# Altium PCB Evaluation Board.PcbDoc (part 8 of 22) (continued)
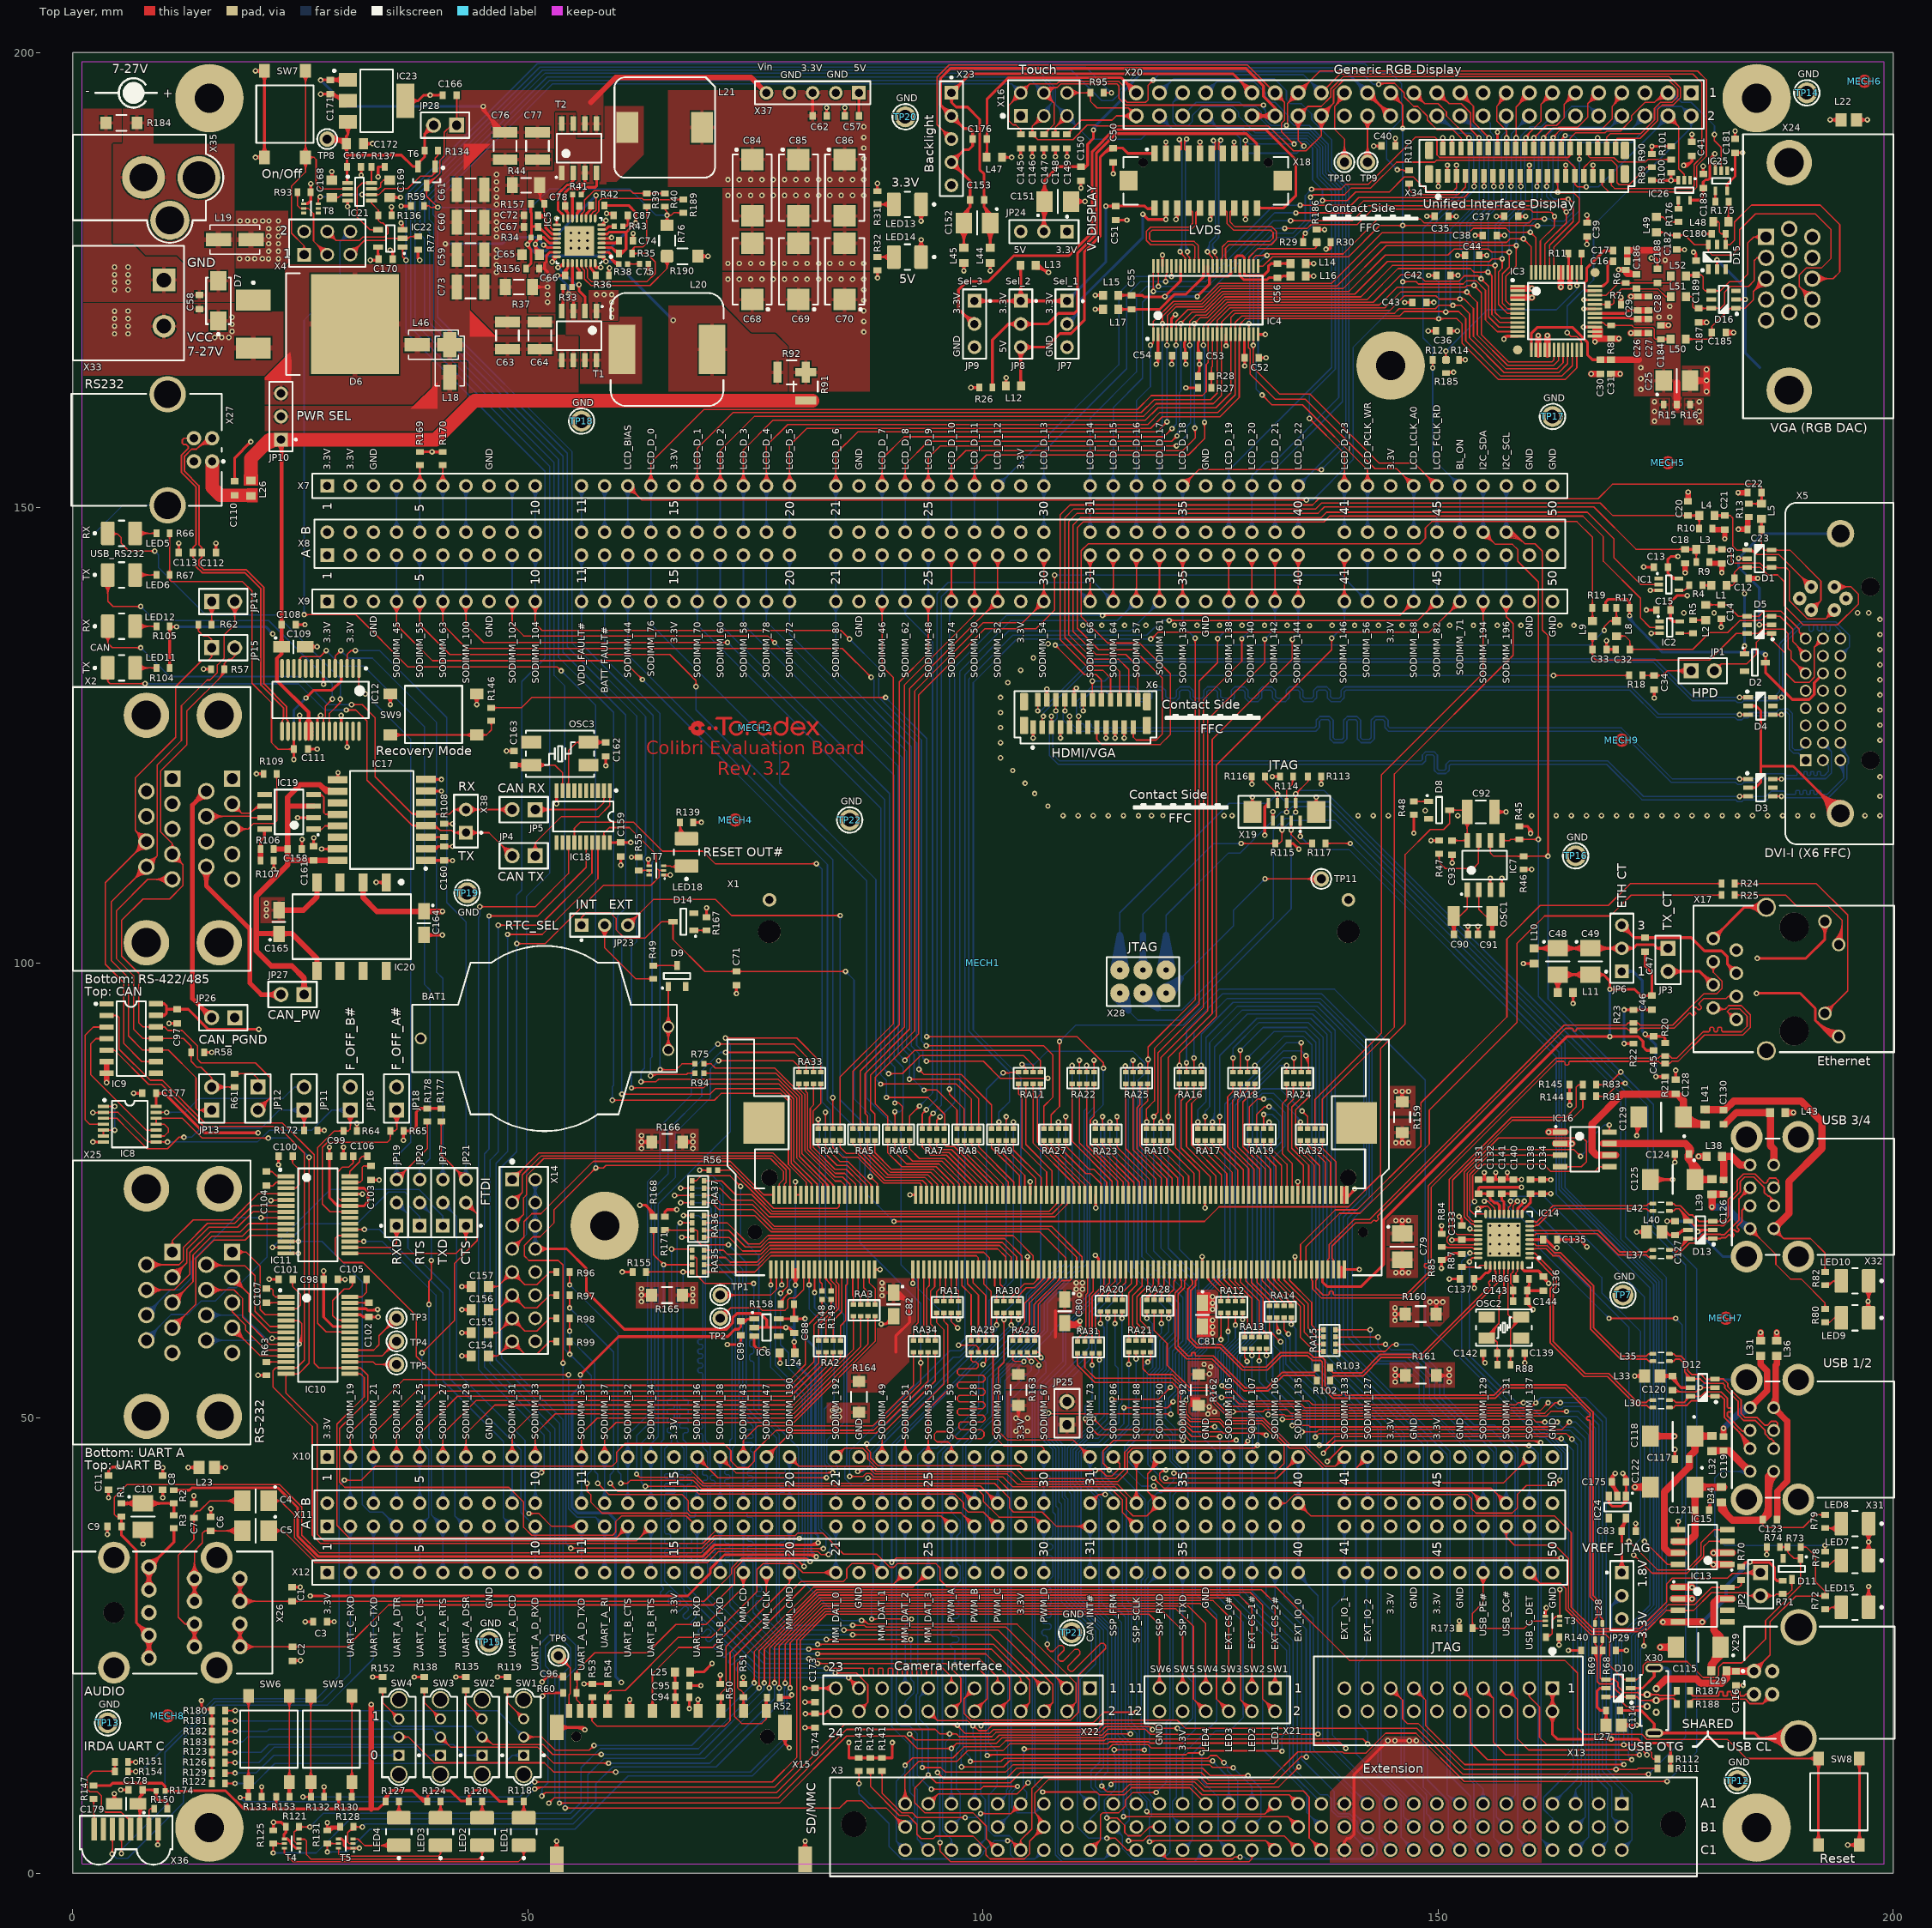
[diagram p0: Top Layer view]
## Nets (pads, with @x,y where several pads share a name; then routed paths per layer and width w, separated by ;. In a path a pad name is that pad's centre, name@x,y a point inside that pad or via, vN(x,y) a via of type N, cw(c..) or ccw(c..) an arc to the next point about the centre after c; other vN are vias at no path point) (continued)
; L24.2@77.444,56.883 cw(c76.831,56.27) v1@77.699,56.27 ; v1@77.593,56.138 ccw(c77.336,56.395) 77.699,56.395 ccw(c78.061,56.395) v1@77.805,56.138 ; L24.2@77.686,57.15 77.699,57.137 v1(77.699,56.032) ; 77.699,56.524 cw(c78.207,56.524) L24.2@77.848,56.883 ; X15.S3@77.91,14.861 cw(c77.484,14.229) 78.246,14.229 ; X15.S3@78.246,16.008 78.246,14.229 ; v1@78.55,13.775 ccw(c78.188,13.775) 78.444,14.031 ccw(c78.7,14.287) v1@78.7,13.925 ; X15.S3@78.582,14.861 ccw(c79.008,14.229) 78.246,14.229 ; v1(78.7,13.775) 78.246,14.229 ; X15.S2@80.041,2.601 ccw(c79.198,3.521) v1@80.446,3.521 ; v1@80.344,3.419 cw(c80.098,3.173) 80.446,3.173 ; v1(80.429,15.989) C174.1@81.534,15.989 ; v1(80.429,18.783) C173.1@81.534,18.783 ; X15.S2@80.446,1.508 v1@80.446,3.521 ; 80.446,3.153 cw(c80.822,3.153) v1@80.556,3.419 ; v1(80.45,3.525) v1@80.446,3.521 ; v1@80.535,15.883 cw(c80.791,15.627) 80.791,15.989 cw(c80.791,16.351) v1@80.535,16.095 ; v1@80.535,18.677 cw(c80.791,18.421) 80.791,18.783 cw(c80.791,19.145) v1@80.535,18.889 ; X15.S2@80.851,2.601 cw(c81.694,3.521) v1@80.446,3.521 ; C174.1@81.318,15.848 ccw(c80.976,15.506) 80.976,15.989 ccw(c80.976,16.472) C174.1@81.318,16.13 ; C173.1@81.318,18.642 ccw(c80.976,18.3) 80.976,18.783 ccw(c80.976,19.266) C173.1@81.318,18.924 ; C62.2@82.676,193.256 ccw(c82.334,193.598) 82.817,193.598 ccw(c83.3,193.598) C62.2@82.958,193.256 ; C62.2@82.817,193.04 v1(82.817,193.941) ; C57.1@84.669,193.256 ccw(c84.327,193.598) 84.81,193.598 ccw(c85.293,193.598) C57.1@84.951,193.256 ; C57.1@84.81,193.04 v1(84.81,193.941) ; X1.39@88.082,66.316 88.666,66.317 v2(88.673,66.31) ; v1(88.8,60.325) 89.311,60.325 ; v1@88.906,60.219 cw(c89.162,59.963) 89.162,60.325 cw(c89.162,60.687) v1@88.906,60.431 ; C82.2@89.554,60.568 ccw(c89.212,60.909) C82.2@89.695,60.909 ; C82.2@89.996,60.467 ccw(c89.762,59.874) 89.311,60.325 ; C82.2@90.17,61.184 89.311,60.325 ; v1(92.275,64.8) 92.282,64.807 X1.41@92.282,66.316 ; 92.282,65.145 ccw(c92.62,65.145) v1@92.381,64.906 ; LED14.K@92.795,178.536 ccw(c92.001,179.427) v1@93.194,179.427 ; LED13.K@92.811,182.315 cw(c92.131,181.497) v1@93.194,181.497 ; v1@93.081,181.596 ccw(c92.807,181.869) 93.194,181.869 ; v1@93.095,179.328 cw(c92.856,179.089) 93.194,179.089 ; v1(93.187,181.49) v1@93.194,181.497 ; LED14.K@93.194,177.538 v1@93.194,179.427 ; 93.194,179.055 cw(c93.581,179.055) v1@93.307,179.328 ; 93.194,181.835 ccw(c93.532,181.835) v1@93.293,181.596 ; LED13.K@93.194,183.326 v1@93.194,181.497 ; v1(93.201,179.434) v1@93.194,179.427 ; LED13.K@93.577,182.315 ccw(c94.257,181.497) v1@93.194,181.497 ; LED14.K@93.593,178.536 cw(c94.387,179.427) v1@93.194,179.427 ; L45.1@97.688,176.682 cw(c97.201,176.196) 97.889,176.196 cw(c98.578,176.196) L45.1@98.091,176.682 ; v1(97.889,176.023) L45.1@97.889,176.924 ; v1(98.667,163.2) R26.1@99.568,163.2 ; v1@98.773,163.094 cw(c99.03,162.838) 99.03,163.2 cw(c99.03,163.562) v1@98.773,163.306 ; R26.1@99.444,163.076 ccw(c99.146,162.777) 99.146,163.2 ccw(c99.146,163.622) R26.1@99.444,163.324 ; C145.1@103.999,189.33 cw(c103.657,188.988) 104.14,188.988 cw(c104.623,188.988) C145.1@104.281,189.33 ; v1@104.034,188.676 ccw(c103.778,188.933) 104.14,188.933 ccw(c104.502,188.933) v1@104.246,188.676 ; v1(104.14,188.57) C145.1@104.14,189.471 ; v2(104.875,67.725) 104.882,67.718 X1.83@104.882,66.316 ; C146.1@105.269,189.33 cw(c104.927,188.988) 105.41,188.988 cw(c105.893,188.988) C146.1@105.551,189.33 ; v1@105.304,188.676 ccw(c105.048,188.933) 105.41,188.933 ccw(c105.772,188.933) v1@105.516,188.676 ; X6.1@105.396,125.335 cw(c105.14,125.079) 105.502,125.079 cw(c105.864,125.079) X6.1@105.608,125.335 ; v1(105.41,188.57) C146.1@105.41,189.471 ; v1(105.5,124.7) 105.502,124.702 X6.1@105.502,125.891 ; C147.1@106.539,189.33 cw(c106.197,188.988) 106.68,188.988 cw(c107.163,188.988) C147.1@106.821,189.33 ; v1@106.574,188.676 ccw(c106.318,188.933) 106.68,188.933 ccw(c107.042,188.933) v1@106.786,188.676 ; v1(106.68,188.57) C147.1@106.68,189.471 ; X6.4@106.896,129.448 ccw(c106.64,129.704) 107.002,129.704 ccw(c107.364,129.704) X6.4@107.108,129.448 ; X6.4@107.002,128.891 107.002,130.081 v1(107.004,130.083) ; C148.1@107.809,189.33 cw(c107.467,188.988) 107.95,188.988 cw(c108.433,188.988) C148.1@108.091,189.33 ; v1@107.844,188.676 ccw(c107.588,188.933) 107.95,188.933 ccw(c108.312,188.933) v1@108.056,188.676 ; v1(107.95,188.57) C148.1@107.95,189.471 ; X6.7@108.396,125.335 cw(c108.14,125.079) 108.502,125.079 cw(c108.864,125.079) X6.7@108.608,125.335 ; v1(108.5,124.7) 108.502,124.702 X6.7@108.502,125.891 ; C149.1@109.079,189.33 cw(c108.737,188.988) 109.22,188.988 cw(c109.703,188.988) C149.1@109.361,189.33 ; C80.2@109.09,60.271 ccw(c109.683,60.864) 109.683,60.025 ; v1@109.114,188.676 ccw(c108.858,188.933) 109.22,188.933 ccw(c109.582,188.933) v1@109.326,188.676 ; v1(109.22,188.57) C149.1@109.22,189.471 ; C80.2@109.302,59.811 cw(c109.818,59.295) 109.818,60.025 ; C80.2@109.302,60.086 cw(c110.113,59.275) 110.113,60.422 ; C80.2@109.302,60.483 ccw(c110.407,61.588) 110.407,60.025 ; C80.2@109.302,60.758 ccw(c110.229,61.893) 110.221,60.427 ; C80.2@109.568,60.218 110.355,60.218 v1@110.637,60.501 ; C151.2@109.654,183.642 v1@111.192,183.642 ; 109.865,60.475 ccw(c109.865,61.435) v1@110.544,60.756 ; X6.10@109.896,129.448 ccw(c109.64,129.704) 110.002,129.704 ccw(c110.364,129.704) X6.10@110.108,129.448 ; 109.915,60.025 cw(c109.915,59.065) v1@110.594,59.744 ; X6.10@110.002,128.891 110.002,130.081 110.096,130.175 v1(110.25,130.175) ; 110.002,129.938 cw(c110.487,129.938) v1@110.144,130.281 ; C151.2@110.009,183.365 cw(c110.577,182.921) 110.577,183.642 cw(c110.577,184.363) C151.2@110.009,183.919 ; C151.2@110.245,183.18 cw(c111.192,182.44) v1@111.192,183.642 ; C151.2@110.245,184.104 ccw(c111.192,184.844) v1@111.192,183.642 ; v1@110.501,60.637 cw(c110.23,60.614) 110.422,60.422 ; C150.1@110.603,185.774 cw(c110.261,185.432) 110.744,185.432 cw(c111.227,185.432) C150.1@110.885,185.774 ; v1(110.65,60.65) 110.422,60.422 ; C150.1@110.744,185.915 110.744,185.131 v1(110.75,185.125) ; 110.819,183.642 ccw(c110.819,184.031) v1@111.094,183.756 ; 110.857,183.642 cw(c110.857,183.307) v1@111.094,183.544 ; v1(111.2,183.65) v1@111.192,183.642 ; v1(112.32,173.343) L15.2@113.221,173.343 ; v2@112.325,67.725 cw(c112.325,67.363) 112.581,67.619 cw(c112.837,67.875) v2@112.475,67.875 ; v2(112.325,67.875) 112.682,67.518 X1.109@112.682,66.316 ; L15.2@112.979,173.141 ccw(c112.493,172.655) 112.493,173.343 ccw(c112.493,174.031) L15.2@112.979,173.544 ; X6.17@113.396,125.335 cw(c113.14,125.079) 113.502,125.079 cw(c113.864,125.079) X6.17@113.608,125.335 ; v1@113.5,124.7 v1(113.502,124.702) X6.17@113.502,125.891 ; C50.1@114.159,187.806 cw(c113.817,187.464) 114.3,187.464 cw(c114.783,187.464) C50.1@114.441,187.806 ; v1@114.194,186.8 ccw(c113.938,187.056) 114.3,187.056 ccw(c114.662,187.056) v1@114.406,186.8 ; v1(114.3,186.694) C50.1@114.3,187.947 ; X6.19@114.396,125.335 cw(c114.14,125.079) 114.502,125.079 cw(c114.864,125.079) X6.19@114.608,125.335 ; v1@114.5,124.7 v1(114.502,124.702) X6.19@114.502,125.891 ; C51.1@114.554,181.597 v1(115.807,181.597) ; C51.1@114.77,181.456 cw(c115.112,181.114) 115.112,181.597 cw(c115.112,182.08) C51.1@114.77,181.738 ; X6.21@115.396,125.335 cw(c115.14,125.079) 115.502,125.079 cw(c115.864,125.079) X6.21@115.608,125.335 ; v1@115.5,124.7 v1(115.502,124.702) X6.21@115.502,125.891 ; v1@115.701,181.491 ccw(c115.445,181.235) 115.445,181.597 ccw(c115.445,181.959) v1@115.701,181.703 ; IC4.46@119.71,176.546 v1(119.71,177.749) ; X18.3@119.944,189.569 ccw(c119.602,189.911) 120.085,189.911 ccw(c120.568,189.911) X18.3@120.226,189.569 ; X18.3@120.085,188.928 v1(120.085,190.181) ; C54.1@120.619,166.509 cw(c120.277,166.168) 120.76,166.168 cw(c121.243,166.168) C54.1@120.901,166.509 ; IC4.5@120.71,169.046 120.71,170.799 v2(121.133,171.221) ; v1(120.726,165.76) 120.76,165.794 C54.1@120.76,166.726 ; v2@120.983,171.221 cw(c120.62,171.221) 120.877,170.965 cw(c121.133,170.709) v2@121.133,171.071 ; v1(121.185,181.675) 121.335,181.825 X18.6@121.335,182.928 ; X18.6@121.194,182.287 cw(c120.852,181.945) 121.335,181.945 cw(c121.818,181.945) X18.6@121.476,182.287 ; R28.1@123.529,164.676 ccw(c123.345,164.905) 123.639,164.905 ; 123.61,167.645 ccw(c124.605,167.645) C53.1@123.901,166.942 ; C53.1@123.619,166.509 cw(c123.277,166.168) 123.76,166.168 cw(c124.243,166.168) C53.1@123.901,166.509 ; C81.2@123.619,60.32 123.619,61.077 124.442,61.077 ; C81.2@123.622,59.751 123.622,58.994 124.445,58.994 ; R28.1@123.639,164.44 123.639,164.905 ; v1@123.668,165.654 cw(c123.446,165.433) 123.76,165.433 ; v1@123.668,165.866 ccw(c123.446,166.088) 123.76,166.088 ; X18.9@123.694,189.569 ccw(c123.352,189.911) 123.835,189.911 ccw(c124.318,189.911) X18.9@123.976,189.569 ; IC4.11@123.71,168.446 cw(c123.349,168.37) 123.61,168.109 ; IC4.11@123.71,169.046 123.71,168.209 123.61,168.109 ; R28.1@123.749,164.676 cw(c123.933,164.905) 123.639,164.905 ; 123.76,165.364 cw(c124.171,165.364) v1@123.88,165.654 ; v1@123.774,165.735 v1@123.76,165.749 ; X18.9@123.835,188.928 v1(123.835,190.181) ; C81.2@124.046,59.754 124.046,58.997 124.869,58.997 124.869,60.034 ; X1.147@124.082,66.316 v2@124.082,67.725 ; C81.2@124.094,60.034 124.869,60.034 ; 124.294,61.084 124.869,61.084 124.869,60.034 ; C81.2@124.435,59.703 cw(c125.216,58.946) v1(125.216,60.034) ; C81.2@124.435,60.365 ccw(c125.216,61.121) v1(125.216,60.034) ; v1(124.935,181.675) 125.085,181.825 X18.12@125.085,182.928 ; X18.12@124.944,182.287 cw(c124.602,181.945) 125.085,181.945 cw(c125.568,181.945) X18.12@125.226,182.287 ; v1@125.11,59.44 ccw(c124.854,59.696) 125.216,59.696 ccw(c125.578,59.696) v1@125.322,59.44 ; v1@125.11,59.928 cw(c124.854,59.672) 125.216,59.672 cw(c125.578,59.672) v1@125.322,59.928 ; v1@125.11,60.14 ccw(c124.854,60.396) 125.216,60.396 ccw(c125.578,60.396) v1@125.322,60.14 ; v1@125.11,60.628 cw(c124.854,60.372) 125.216,60.372 cw(c125.578,60.372) v1@125.322,60.628 ; v1(125.216,59.334) v1(125.216,60.034) ; v1(125.216,60.734) v1(125.216,60.034) ; v1(126.695,167.792) 126.71,167.807 IC4.17@126.71,169.046 ; 126.71,168.119 ccw(c127.022,168.119) v1@126.801,167.898 ; X18.15@127.444,189.569 ccw(c127.102,189.911) 127.585,189.911 ccw(c128.068,189.911) X18.15@127.726,189.569 ; X18.15@127.585,188.928 v1(127.585,190.181) ; X18.18@128.694,182.287 cw(c128.352,181.945) 128.835,181.945 cw(c129.318,181.945) X18.18@128.976,182.287 ; v1(128.835,181.675) X18.18@128.835,182.928 ; X19.S2@129.334,117.594 ccw(c129.216,117.956) v1@129.596,117.956 ; R116.1@129.403,120.243 cw(c129.104,119.945) 129.527,119.945 cw(c129.949,119.945) R116.1@129.651,120.243 ; v1@129.527,119.636 R116.1@129.527,120.467 ; X19.S2@129.596,116.586 v1@129.596,117.956 ; v1(129.596,118.213) v1@129.596,117.956 ; X19.S2@129.858,117.594 cw(c129.976,117.956) v1@129.596,117.956 ; IC4.24@130.21,169.046 130.219,169.037 v1(131.01,169.037) ; C52.1@130.295,166.472 v1(131.086,166.472) ; C52.1@130.436,166.33 cw(c130.778,165.989) 130.778,166.472 cw(c130.778,166.954) C52.1@130.436,166.613 ; v1@130.904,168.931 ccw(c130.648,168.675) 130.648,169.037 ccw(c130.648,169.399) v1@130.904,169.143 ; v1@131.779,120.467 R114.1@132.61,120.467 ; X19.7@131.846,115.611 v2(131.846,116.613) ; v1@131.88,120.567 ccw(c132.121,120.809) 132.121,120.467 ; R114.1@132.487,120.343 ccw(c132.188,120.045) 132.188,120.467 ccw(c132.188,120.889) R114.1@132.487,120.591 ; R115.1@133.567,113.113 134.087,113.113 v1(134.7,112.5) ; R115.1@133.691,112.989 cw(c133.99,112.69) 133.99,113.113 cw(c133.99,113.535) R115.1@133.691,113.237 ; X1.181@134.282,66.316 v2@134.282,67.725 ; v1@134.55,112.5 ccw(c134.188,112.5) 134.444,112.756 ccw(c134.7,113.012) v1@134.7,112.65 ; L14.2@135.42,176.829 v1(136.321,176.829) ; L14.2@135.662,176.627 cw(c136.148,176.141) 136.148,176.829 cw(c136.148,177.517) L14.2@135.662,177.03 ; X19.S1@136.334,117.594 ccw(c136.216,117.956) v1@136.596,117.956 ; X19.S1@136.596,116.586 v1@136.596,117.956 ; v1(136.596,118.213) v1@136.596,117.956 ; R186.1@136.652,180.557 137.518,180.557 v1(137.525,180.55) ; X19.S1@136.858,117.594 cw(c136.976,117.956) v1@136.596,117.956 ; R186.1@136.876,180.433 cw(c137.174,180.135) 137.174,180.557 cw(c137.174,180.979) R186.1@136.876,180.681 ; R113.1@137.02,120.243 cw(c136.722,119.945) 137.144,119.945 cw(c137.567,119.945) R113.1@137.268,120.243 ; v1@137.144,119.636 R113.1@137.144,120.467 ; 139.375,65.475 139.375,66.316 ; 140.962,66.316 ccw(c140.962,66.702) v1@141.234,66.43 ; 140.995,66.316 cw(c140.995,65.978) v1@141.234,66.217 ; v1(141.34,66.323) 141.334,66.316 X1.199@139.682,66.316 139.375,66.316 ; C40.1@145.16,189.954 ccw(c144.818,190.296) 145.301,190.296 ccw(c145.784,190.296) C40.1@145.442,189.954 ; v1(145.298,190.568) 145.301,190.565 C40.1@145.301,189.738 ; v1(145.35,65.978) v1(146.05,65.978) ; v1@145.456,65.872 cw(c145.712,65.616) 145.712,65.978 cw(c145.712,66.34) v1@145.456,66.084 ; C79.2@145.632,66.761 cw(c145.107,65.978) v1(146.05,65.978) ; v1@145.944,65.872 ccw(c145.688,65.616) 145.688,65.978 ccw(c145.688,66.34) v1@145.944,66.084 ; C79.2@146.05,67.1 v1(146.05,65.978) ; v1@146.156,65.872 cw(c146.412,65.616) 146.412,65.978 cw(c146.412,66.34) v1@146.156,66.084 ; C79.2@146.468,66.761 ccw(c146.993,65.978) v1(146.05,65.978) ; v1@146.644,65.872 ccw(c146.388,65.616) 146.388,65.978 ccw(c146.388,66.34) v1@146.644,66.084 ; v1(146.75,65.978) v1(146.05,65.978) ; C43.1@148.705,172.553 149.532,172.553 v1(149.535,172.556) ; C43.1@148.846,172.412 cw(c149.188,172.07) 149.188,172.553 cw(c149.188,173.036) C43.1@148.846,172.694 ; X34.1@149.91,185.904 cw(c149.654,185.648) 150.016,185.648 cw(c150.378,185.648) X34.1@150.122,185.904 ; v1@150.016,185.301 X34.1@150.016,186.46 ; v1@150.244,66.556 ccw(c149.944,66.856) 150.368,66.856 ; R85.2@150.244,67.223 cw(c149.946,66.925) 150.368,66.925 cw(c150.79,66.925) R85.2@150.492,67.223 ; v1(150.35,66.45) 150.368,66.468 R85.2@150.368,67.347 150.822,67.347 ; 150.368,66.769 ccw(c150.669,66.769) v1@150.456,66.556 ; X34.2@150.41,190.016 ccw(c150.154,190.272) 150.516,190.272 ccw(c150.878,190.272) X34.2@150.622,190.016 ; R85.2@150.468,67.222 ccw(c150.468,67.775) 150.859,67.384 ; R85.2@150.468,67.522 ccw(c150.468,68.799) 151.371,67.896 ; X34.2@150.516,189.46 v1@150.516,190.619 ; R85.2@150.607,67.241 cw(c150.822,67.076) 150.822,67.347 ; R85.2@150.607,67.453 ccw(c150.822,67.618) 150.822,67.347 ; R185.1@150.85,164.883 151.692,164.883 v1(151.7,164.875) ; R185.1@151.074,164.676 cw(c151.573,164.177) v1@151.573,164.883 ; C35.1@151.154,181.988 v1@151.981,181.988 ; v1(151.225,65.275) 151.228,65.278 C137.1@152.387,65.278 ; C35.1@151.284,181.866 cw(c151.58,181.57) 151.58,181.988 ; C35.1@151.284,182.148 ccw(c151.672,182.536) 151.672,181.988 ; C36.1@151.288,169.418 152.115,169.418 v1(152.118,169.421) ; v1@151.331,65.169 cw(c151.594,64.906) 151.594,65.278 ; v1@151.331,65.381 ccw(c151.58,65.63) 151.58,65.278 ; C42.1@151.348,175.526 v1(152.175,175.526) ; C93.1@151.395,111.745 cw(c151.054,111.404) 151.536,111.404 cw(c152.019,111.404) C93.1@151.678,111.745 ; v1@151.43,111.092 ccw(c151.174,111.348) 151.536,111.348 ccw(c151.899,111.348) v1@151.642,111.092 ; C36.1@151.429,169.277 cw(c151.771,168.935) 151.771,169.418 cw(c151.771,169.901) C36.1@151.429,169.559 ; C42.1@151.489,175.385 cw(c151.831,175.043) 151.831,175.526 cw(c151.831,176.009) C42.1@151.489,175.667 ; v1(151.536,110.986) C93.1@151.536,111.886 ; 151.873,68.125 cw(c151.873,67.395) R87.1@152.389,67.911 ; R173.1@152.201,27.123 ccw(c151.903,27.421) 152.325,27.421 ccw(c152.747,27.421) R173.1@152.449,27.123 ; C137.1@152.246,65.137 ccw(c151.904,64.795) 151.904,65.278 ccw(c151.904,65.761) C137.1@152.246,65.419 ; v1@152.3,71.975 cw(c152.3,71.613) 152.556,71.869 cw(c152.812,72.125) v1@152.45,72.125 ; v1(152.3,72.125) 152.6,71.825 C133.1@152.6,71.15 ; R173.1@152.325,26.899 v1(152.325,27.711) ; C133.1@152.459,71.291 ccw(c152.117,71.633) 152.6,71.633 ccw(c153.083,71.633) C133.1@152.741,71.291 ; R87.1@152.612,68.035 152.523,68.125 151.6,68.125 150.822,67.347 ; C90.2@153.131,103.333 ccw(c152.789,103.674) 153.272,103.674 ccw(c153.755,103.674) C90.2@153.414,103.333 ; C90.2@153.272,103.116 v1(153.272,104.017) ; C91.2@154.231,103.333 ccw(c153.89,103.674) 154.372,103.674 ccw(c154.855,103.674) C91.2@154.514,103.333 ; C91.2@154.372,103.116 v1(154.372,104.017) ; C131.1@154.433,76.308 C131.1@154.433,76.201 156.333,76.201 ; C44.1@154.51,177.724 155.337,177.724 v1(155.34,177.727) ; C131.1@154.65,76.059 cw(c154.991,75.718) 154.991,76.201 cw(c154.991,76.683) C131.1@154.65,76.342 ; C44.1@154.651,177.583 cw(c154.993,177.241) 154.993,177.724 cw(c154.993,178.207) C44.1@154.651,177.865 ; C142.1@154.811,56.921 cw(c154.47,56.58) 154.952,56.58 cw(c155.435,56.58) C142.1@155.094,56.921 ; C142.1@154.952,57.138 154.952,56.098 154.975,56.075 v1(155.15,56.075) ; v1@154.961,76.869 cw(c154.687,76.594) 155.075,76.594 ; 155.075,76.201 v1@155.075,76.967 ; 155.075,76.631 cw(c155.411,76.631) v1@155.173,76.869 ; C132.1@155.487,76.059 ccw(c155.145,75.718) 155.145,76.201 ccw(c155.145,76.683) C132.1@155.487,76.342 ; IC7.3@155.621,108.642 ccw(c155.365,108.899) 155.727,108.899 ccw(c156.09,108.899) IC7.3@155.833,108.642 ; IC7.3@155.727,108.036 v1(155.727,109.308) ; C132.1@155.92,76.059 cw(c156.261,75.718) 156.261,76.201 cw(c156.261,76.683) C132.1@155.92,76.342 ; C92.1@156.187,116.578 v1(157.459,116.578) ; v1@156.219,76.869 cw(c155.944,76.594) 156.333,76.594 ; v1(156.325,76.975) 156.333,76.967 156.333,76.201 ; 156.333,76.631 cw(c156.669,76.631) v1@156.431,76.869 ; v1@156.409,191.156 cw(c156.15,190.897) 156.516,190.897 ; X34.14@156.41,190.016 ccw(c156.154,190.272) 156.516,190.272 ccw(c156.878,190.272) X34.14@156.622,190.016 ; C38.1@156.448,179.918 157.275,179.918 v1(157.278,179.921) ; C92.1@156.488,116.278 cw(c157.213,115.552) 157.213,116.578 cw(c157.213,117.604) C92.1@156.488,116.879 ; X34.14@156.516,189.46 v1@156.516,191.16 ; 156.516,190.903 cw(c156.874,190.903) v1@156.621,191.156 ; C38.1@156.589,179.777 cw(c156.931,179.435) 156.931,179.918 cw(c156.931,180.401) C38.1@156.589,180.059 ; C141.1@156.757,76.059 ccw(c156.415,75.718) 156.415,76.201 ccw(c156.415,76.683) C141.1@156.757,76.342 ; IC7.4@156.891,108.642 ccw(c156.635,108.899) 156.997,108.899 ccw(c157.36,108.899) IC7.4@157.103,108.642 ; IC7.4@156.997,108.036 v1(156.997,109.308) ; v1@157.119,168.631 cw(c157.628,168.122) 157.628,168.842 ; C141.1@157.19,76.059 cw(c157.531,75.718) 157.531,76.201 cw(c157.531,76.683) C141.1@157.19,76.342 ; v1(157.225,168.525) 157.542,168.842 IC3.12@158.731,168.842 ; v1@157.225,168.675 ccw(c157.225,169.037) 157.481,168.781 ccw(c157.737,168.525) v1@157.375,168.525 ; v1@157.353,116.472 ccw(c157.097,116.216) 157.097,116.578 ccw(c157.097,116.941) v1@157.353,116.684 ; v1@157.494,76.869 cw(c157.219,76.594) 157.608,76.594 ; v1(157.6,76.975) 157.608,76.967 157.608,76.201 ; 157.608,76.631 cw(c157.944,76.631) v1@157.706,76.869 ; C140.1@158.027,76.059 ccw(c157.685,75.718) 157.685,76.201 ccw(c157.685,76.683) C140.1@158.027,76.342 ; C140.1@158.46,76.059 cw(c158.801,75.718) 158.801,76.201 cw(c158.801,76.683) C140.1@158.46,76.342 ; IC14.11@158.727,72.42 158.725,72.422 158.725,73.001 159.475,73.751 v1(159.475,73.825) ; IC14.11@158.727,72.745 cw(c159.353,72.745) 158.911,73.187 ; C37.1@158.786,182.007 v1@159.613,182.007 ; C37.1@158.927,181.866 cw(c159.269,181.524) 159.269,182.007 cw(c159.269,182.49) C37.1@158.927,182.148 ; v1(159.15,76.2) C140.1@158.243,76.201 157.608,76.201 ; 159.167,73.443 ccw(c158.785,73.825) v1@159.325,73.825 ; C139.1@159.361,56.921 cw(c158.965,56.525) 159.525,56.525 ; v1@159.419,56.181 ccw(c159.163,56.437) 159.525,56.437 ccw(c159.887,56.437) v1@159.631,56.181 ; v1(159.525,56.075) C139.1@159.525,57.115 ; 159.525,56.634 cw(c159.931,56.634) C139.1@159.644,56.921 ; v1@159.613,182.107 v1@159.616,182.11 ; C144.1@159.639,63.05 ccw(c159.297,63.391) 159.78,63.391 ccw(c160.263,63.391) C144.1@159.922,63.05 ; C143.1@159.639,63.779 cw(c159.297,63.438) 159.78,63.438 cw(c160.263,63.438) C143.1@159.922,63.779 ; R86.1@159.861,65.042 cw(c159.481,64.662) 160.018,64.662 ; X34.21@159.91,187.016 ccw(c159.654,187.272) 160.016,187.272 ccw(c160.378,187.272) X34.21@160.122,187.016 ; C143.1@159.922,63.854 cw(c160.263,63.513) 160.263,63.996 cw(c160.263,64.478) C143.1@159.922,64.137 ; C143.1@159.955,64.168 cw(c160.285,64.351) 160.018,64.618 ; C144.1@159.98,62.759 ccw(c160.893,62.759) v1@160.248,62.113 ; R86.1@159.984,65.266 160.018,65.232 160.018,64.618 ; X34.21@160.016,186.46 v2@160.016,187.619 ; 160.018,64.824 cw(c160.326,64.824) R86.1@160.108,65.042 ; C138.1@160.135,76.201 162.349,76.201 v1(162.375,76.175) ; v1@160.283,61.928 ccw(c159.921,61.928) 160.177,62.184 ccw(c160.433,62.44) v1@160.433,62.078 ; v1@160.35,61.85 160.355,61.85 v1(160.433,61.928) 159.78,62.581 C144.1@159.78,62.834 C143.1@159.78,63.996 ; C138.1@160.352,76.059 cw(c160.693,75.718) 160.693,76.201 cw(c160.693,76.683) C138.1@160.352,76.342 ; 160.985,63.996 cw(c160.985,63.511) C136.1@161.328,63.854 ; 160.987,63.996 ccw(c160.987,64.477) C136.1@161.328,64.136 ; C134.1@161.221,76.059 ccw(c160.879,75.718) 160.879,76.201 ccw(c160.879,76.683) C134.1@161.221,76.342 ; C136.1@161.544,63.995 C143.1@159.78,63.996 ; C134.1@161.654,76.059 cw(c161.995,75.718) 161.995,76.201 cw(c161.995,76.683) C134.1@161.654,76.342 ; T3.1@161.77,28.215 161.77,28.77 161.875,28.875 v1(161.875,29.15) ; 161.77,28.534 cw(c162.491,28.534) v1@161.981,29.044 ; 161.77,28.756 cw(c162.052,28.756) v1@161.937,29.013 ; 162.074,76.201 ccw(c162.074,76.476) v1@162.269,76.281 ; C135.1@163.069,69.596 165.558,69.596 v1(166.345,68.809) ; C135.1@163.211,69.454 cw(c163.552,69.113) 163.552,69.596 cw(c163.552,70.078) C135.1@163.211,69.737 ; X34.29@163.91,187.016 ccw(c163.654,187.272) 164.016,187.272 ccw(c164.378,187.272) X34.29@164.122,187.016 ; X34.29@164.016,186.46 v2@164.016,187.619 ; R11.1@164.165,177.719 cw(c163.771,177.325) 164.328,177.325 ; v1(164.3,24.475) R69.1@165.721,24.475 ; R144.2@164.324,85.121 cw(c164.023,84.82) 164.449,84.82 ; R144.2@164.324,85.569 ccw(c164.023,85.87) 164.449,85.87 ; R145.2@164.324,86.391 cw(c164.023,86.09) 164.449,86.09 ; IC3.40@164.328,175.3 R11.1@164.328,177.903 ; 164.328,177.514 cw(c164.616,177.514) R11.1@164.412,177.719 ; v1@164.344,84.481 ccw(c164.09,84.735) 164.449,84.735 ; v1@164.406,24.369 cw(c164.661,24.114) 164.661,24.475 ; v1@164.406,24.581 ccw(c164.663,24.838) 164.663,24.475 ; 164.449,84.739 ccw(c164.814,84.739) v1@164.556,84.481 ; 164.449,84.825 cw(c164.868,84.825) R144.2@164.572,85.121 ; 164.449,85.865 ccw(c164.868,85.865) R144.2@164.572,85.569 ; 164.449,86.095 cw(c164.868,86.095) R145.2@164.572,86.391 ; R145.2@164.449,86.614 v1(164.45,84.375) v1(164.45,84.375) ; L11.1@164.623,96.482 cw(c164.136,95.996) 164.824,95.996 cw(c165.512,95.996) L11.1@165.026,96.482 ; v1@164.718,95.645 ccw(c164.462,95.901) 164.824,95.901 ccw(c165.186,95.901) v1@164.93,95.645 ; v1(164.824,95.539) L11.1@164.824,96.749 ; R69.1@165.598,24.351 ccw(c165.299,24.052) 165.299,24.475 ccw(c165.299,24.897) R69.1@165.598,24.598 ; v2(165.979,169.84) IC3.27@167.079,169.84 ; v2(166.025,171.842) IC3.31@167.231,171.842 ; v2(166.025,172.842) IC3.33@167.231,172.842 ; v1@166.195,68.809 ccw(c165.832,68.809) 166.089,69.065 ccw(c166.345,69.321) v1@166.345,68.959 ; C39.1@166.278,181.46 ccw(c165.873,181.865) 166.446,181.865 ; v1(166.342,182.148) v1@166.345,182.145 ; C39.1@166.446,181.293 v1@166.446,182.12 ; 166.446,181.737 ccw(c166.838,181.737) C39.1@166.561,181.46 ; X34.35@166.91,187.016 ccw(c166.654,187.272) 167.016,187.272 ccw(c167.378,187.272) X34.35@167.122,187.016 ; X34.35@167.016,186.46 v2@167.016,187.619 ; C33.2@168.356,134.651 ccw(c168.015,134.993) 168.497,134.993 ccw(c168.98,134.993) C33.2@168.639,134.651 ; v1@168.391,135.279 cw(c168.135,135.023) 168.497,135.023 cw(c168.86,135.023) v1@168.604,135.279 ; v1(168.497,135.385) 168.497,134.46 C32.2@169.274,134.46 ; C33.2@168.639,134.294 cw(c169.041,133.892) 169.041,134.46 ; C33.2@168.639,134.576 ccw(c168.92,134.858) 168.92,134.46 ; C175.1@168.954,43.224 ccw(c168.612,43.565) 169.095,43.565 ccw(c169.578,43.565) C175.1@169.237,43.224 ; 168.977,134.46 cw(c168.977,133.892) C32.2@169.379,134.294 ; C175.1@168.983,42.767 cw(c168.838,42.555) 169.095,42.555 ; C175.1@168.995,42.933 ccw(c169.655,42.928) 169.188,42.462 ; C175.1@169.001,43.048 cw(c169.487,43.229) 169.12,43.595 ; 169.098,134.46 ccw(c169.098,134.858) C32.2@169.379,134.576 ; C175.1@169.208,42.767 ccw(c169.352,42.555) 169.095,42.555 ; C175.1@169.282,43.153 cw(c169.966,43.409) v1(169.45,43.925) 169.095,43.57 C175.1@169.095,43.008 169.095,42.555 ; C175.1@169.295,42.931 ccw(c170.661,42.921) 169.695,41.955 ; v1@169.3,43.925 cw(c168.938,43.925) 169.194,43.669 cw(c169.45,43.413) v1@169.45,43.775 ; IC24.2@169.495,41.567 ccw(c168.129,41.589) 169.095,42.555 ; R68.1@169.534,24.475 v1(170.675,24.475) ; IC24.2@169.578,41.726 ccw(c169.412,41.955) 169.695,41.955 ; 169.596,42.054 cw(c169.115,41.573) IC24.2@169.795,41.562 ; R68.1@169.657,24.351 cw(c169.956,24.052) 169.956,24.475 cw(c169.956,24.897) R68.1@169.657,24.598 ; IC24.2@169.695,41.414 169.695,41.955 ; IC24.2@169.812,41.726 cw(c169.978,41.955) 169.695,41.955 ; 170.312,24.475 ccw(c170.312,24.838) v1@170.569,24.581 ; 170.314,24.475 cw(c170.314,24.114) v1@170.569,24.369 ; R6.1@170.597,176.16 R6.1@170.614,176.142 ; C129.2@171.518,82.278 cw(c170.776,81.536) 171.825,81.536 ; C83.1@171.559,37.808 ccw(c171.217,38.15) 171.7,38.15 ccw(c172.183,38.15) C83.1@171.841,37.808 ; v1(171.699,38.409) 171.7,38.408 C83.1@171.7,37.592 ; v1@171.719,81.131 ccw(c171.463,81.387) 171.825,81.387 ccw(c172.187,81.387) v1@171.931,81.131 ; v1@171.825,81.011 cw(c173.221,81.011) C129.2@172.458,82.18 ; v1(171.825,81.025) 171.825,82.835 C129.2@172.048,83.058 ; 171.825,81.565 cw(c172.859,81.565) C129.2@172.294,82.431 ; v1(172.575,143.493) 172.597,143.47 C13.1@173.688,143.47 ; v1@172.681,143.386 cw(c172.884,143.184) 172.884,143.47 ; v1@172.681,143.599 ccw(c172.99,143.908) 172.99,143.47 ; v1(172.875,138.768) 173.965,138.768 C15.1@173.98,138.753 ; v1@172.981,138.661 cw(c173.237,138.405) 173.237,138.768 cw(c173.237,139.13) v1@172.981,138.874 ; v1(173.309,140.92) IC1.3@174.234,140.92 ; C118.2@173.318,48.006 C118.2@173.925,47.399 ; C125.2@173.318,76.2 v1(175.775,76.2) ; v1(173.409,136.202) IC2.3@174.334,136.202 ; v1(173.425,177.425) 173.9,177.425 174.089,177.236 C188.2@174.089,176.242 ; 173.461,138.768 cw(c173.461,138.234) C15.1@173.839,138.611 ; R89.2@173.482,185.95 v1(175.575,185.95) ; v1@173.531,177.319 cw(c173.787,177.063) 173.787,177.425 cw(c173.787,177.787) v1@173.531,177.531 ; 173.533,138.768 ccw(c173.533,139.199) C15.1@173.839,138.894 ; C13.1@173.547,143.329 ccw(c173.205,142.988) 173.205,143.47 ccw(c173.205,143.953) C13.1@173.547,143.612 ; C34.2@173.595,129.881 cw(c173.253,129.539) 173.736,129.539 cw(c174.219,129.539) C34.2@173.877,129.881 ; v1@173.63,129.203 ccw(c173.374,129.459) 173.736,129.459 ccw(c174.098,129.459) v1@173.842,129.203 ; C125.2@173.636,75.882 cw(c174.404,75.114) 174.404,76.2 cw(c174.404,77.286) C125.2@173.636,76.518 ; R89.2@173.706,185.841 cw(c173.968,185.579) 173.968,185.95 ; R89.2@173.706,186.089 ccw(c174.041,186.424) 174.041,185.95 ; v1(173.736,129.097) C34.2@173.736,130.022 ; C125.2@173.848,75.67 cw(c175.129,74.389) 175.129,76.2 cw(c175.129,78.011) C125.2@173.848,76.73 ; C188.2@173.948,176.384 ccw(c173.606,176.725) 174.089,176.725 ccw(c174.572,176.725) C188.2@174.23,176.384 ; R100.2@175.402,186.677 cw(c174.985,186.26) 175.575,186.26 ; v1@175.469,185.844 ccw(c175.213,185.588) 175.213,185.95 ccw(c175.213,186.312) 175.469,186.056 ccw(c175.213,186.312) 175.575,186.312 ccw(c175.937,186.312) 175.681,186.056 ccw(c175.937,186.312) 175.937,185.95 ccw(c175.937,185.588) v1@175.681,185.844 ; R100.2@175.626,186.801 175.575,186.75 v1(175.575,185.95) ; v1@175.669,76.094 ccw(c175.413,75.838) 175.413,76.2 ccw(c175.413,76.562) v1@175.669,76.306 ; C117.1@175.868,45.682 ccw(c175.526,46.024) 176.009,46.024 ccw(c176.492,46.024) C117.1@176.15,45.682 ; C124.1@175.868,78.778 cw(c175.526,78.436) 176.009,78.436 cw(c176.492,78.436) C124.1@176.15,78.778 ; v1@175.894,46.444 cw(c175.616,46.166) 176.009,46.166 ; C128.1@175.957,87.327 ccw(c175.615,87.669) 176.098,87.669 ccw(c176.581,87.669) C128.1@176.24,87.327 ; v1@175.991,88.096 cw(c175.731,87.836) 176.098,87.836